# Altium PCB radioboard.PcbDoc (part 1 of 9) (continued)
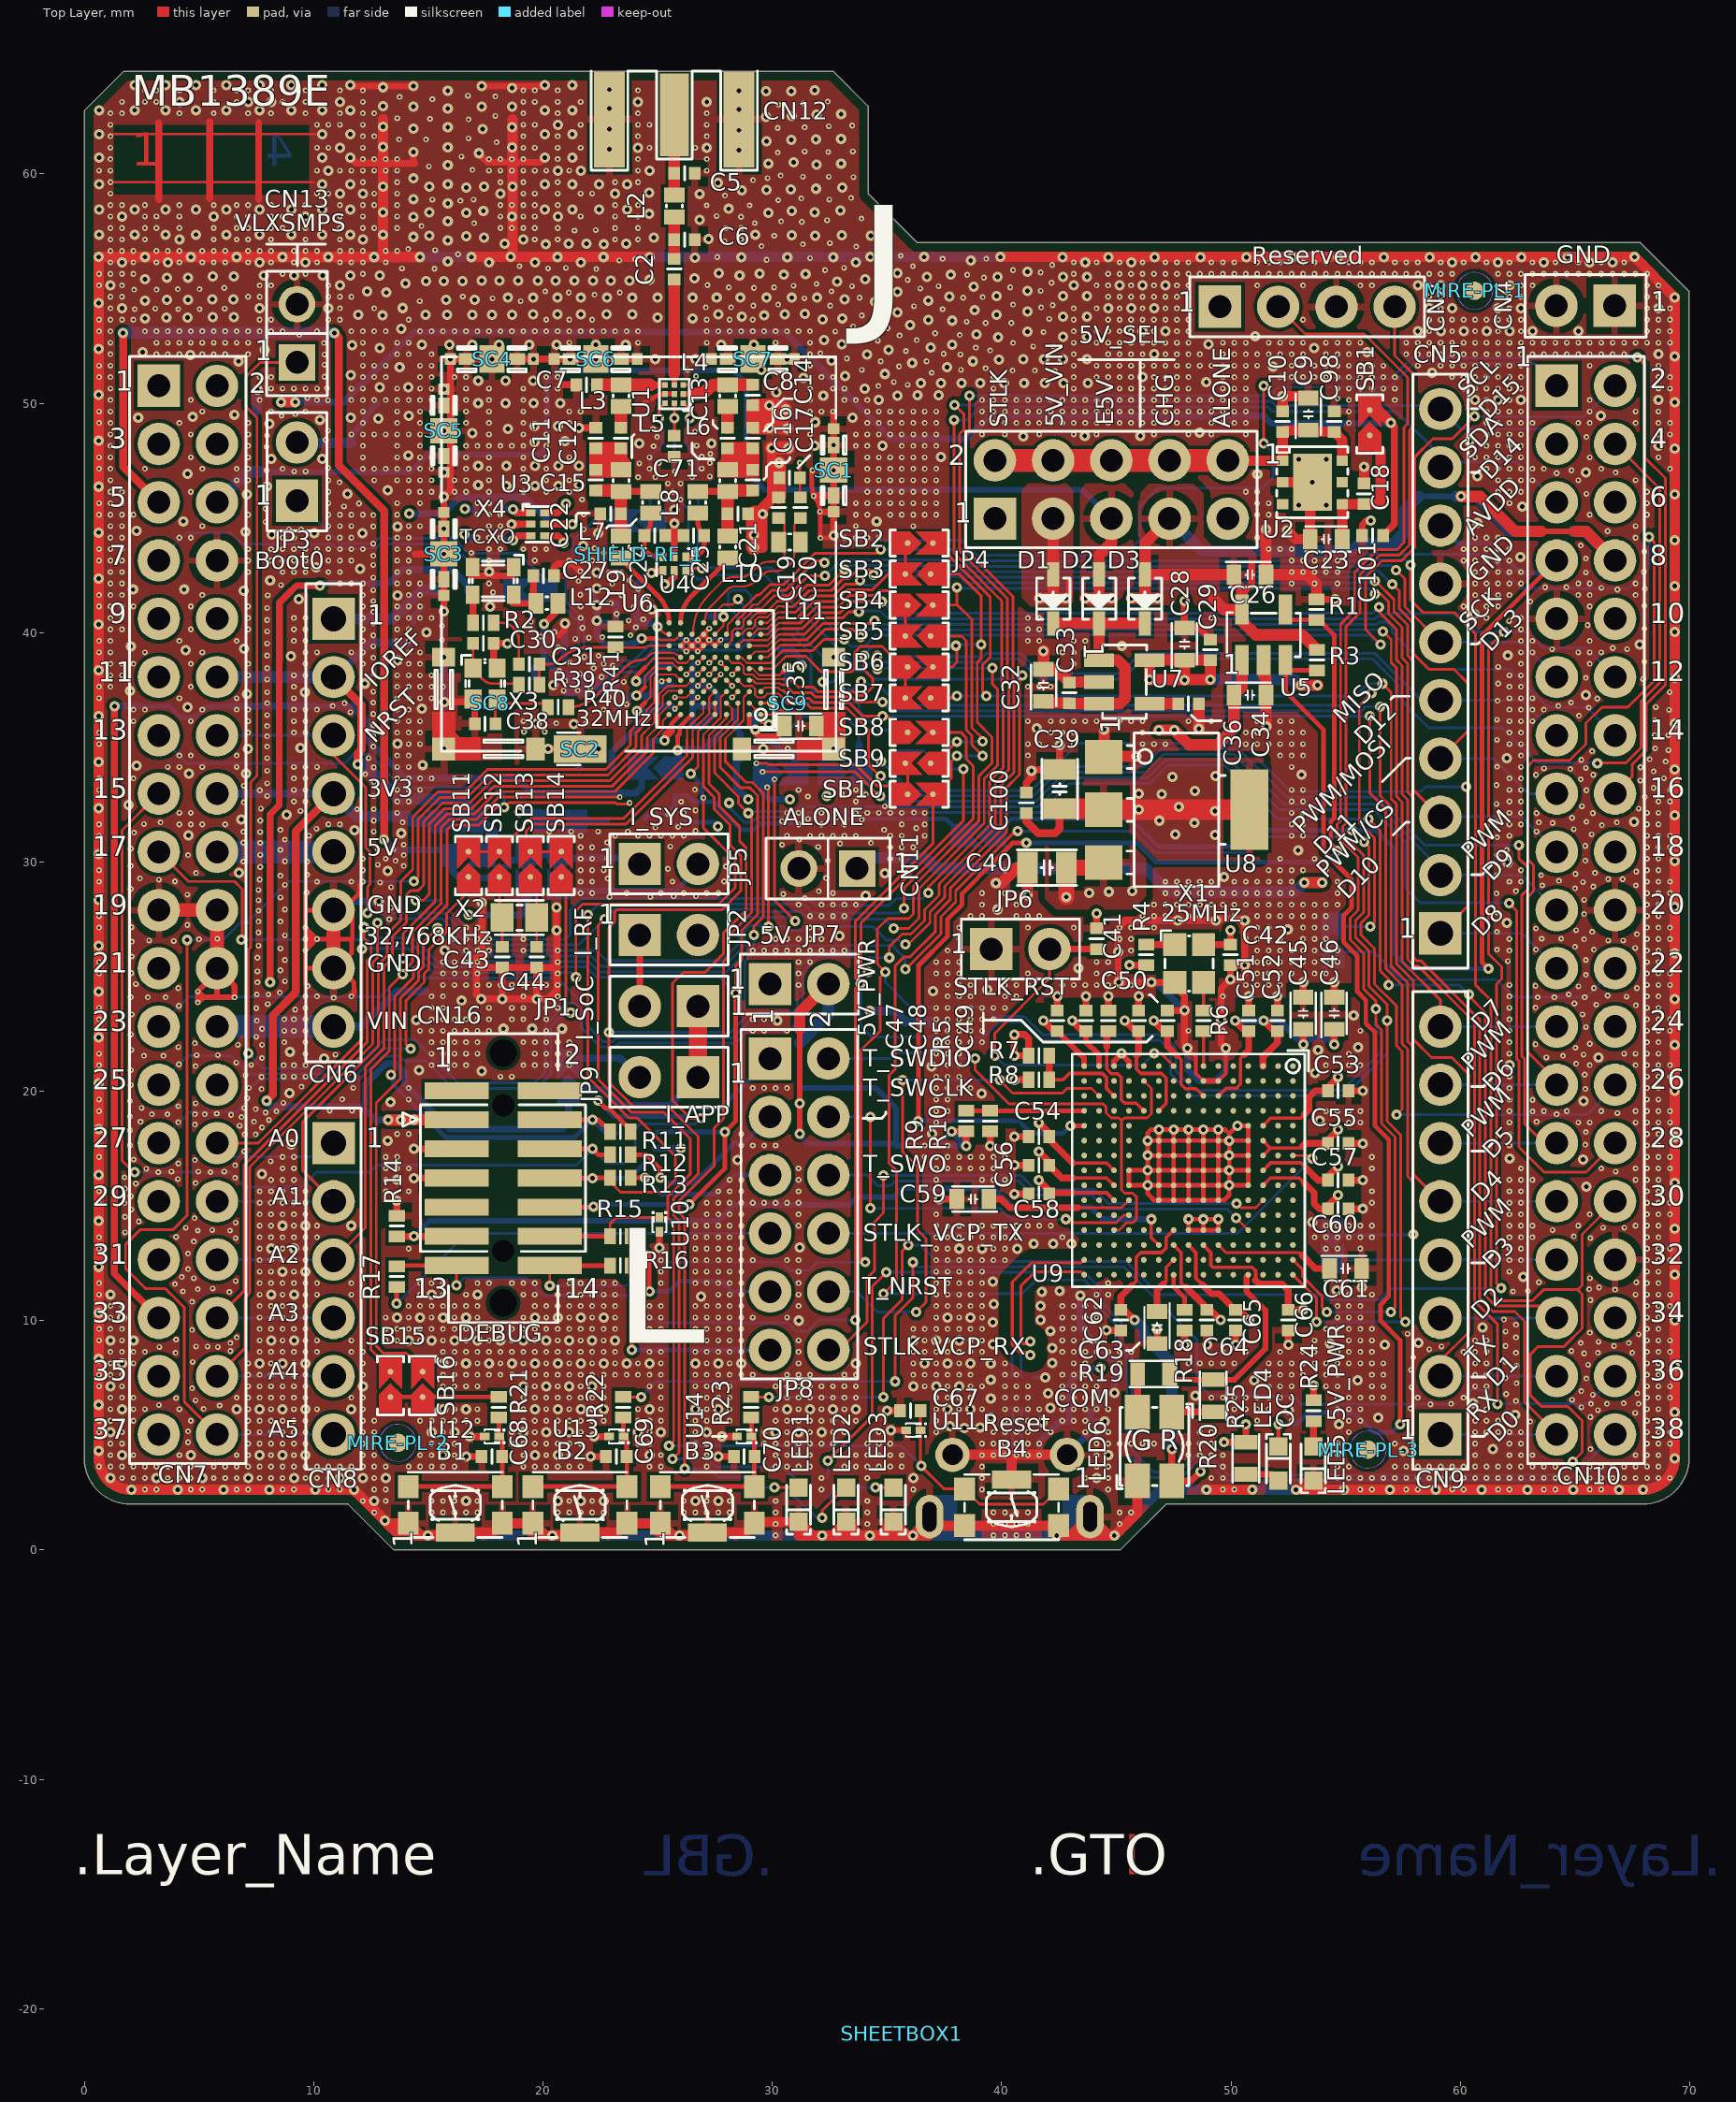
[diagram p0: Top Layer view]
## Components (designator, comment, footprint, x,y, rotation, side; value= is the part's Value field where it differs from the comment) (continued)
C64 "" C0402 48.95,10.025 r90 top value=100nF
C65 "" C0402 50.2,10.025 r90 top value=100nF
C66 "" C0402 52.5,10.025 r90 top value=100nF
C67 "" C0402 36.025,6.075 r0 top value=100nF
C68 "" C0402 17.775,4.075 r0 top value=100nF
C69 "" C0402 23.2,4.075 r0 top value=100nF
C70 "" C0402 28.775,4.075 r0 top value=100nF
C71 "" C0402 25.725,48.125 r90 top value=1nF
C72 "" C0402 27.225,47.675 r180 bottom value=1nF
C73 "" C0402 24.225,47.7 r0 bottom value=1nF
C74 "" C0402 23.65,41.3 r0 bottom value=47nF
C75 "" C0402 26.8,40.7 r0 bottom value=100nF
C76 "" C0402 23.65,40.4 r0 bottom value=68pF
C77 "" C0402 20.5,39.775 r0 bottom value=100nF
C78 "" C0402 23.125,39.5 r0 bottom value=33pF
C79 "" C0402 20.5,38.875 r180 bottom value=47pF
C80 "" C0402 26.075,38.6 r180 bottom value=33pF
C81 "" C0402 30.2,37.825 r0 bottom value=100nF
C82 "" C0402 26.075,37.7 r180 bottom value=33pF
C83 "" C0402 26.075,36.8 r180 bottom value=100nF
C84 "" C0402 26.075,35.9 r180 bottom value=100nF
C85 "" C0603#1 31.45,35.65 r180 bottom value=470nF
C86 "" C0402 28.15,35.575 r180 bottom value=100nF
C87 "" C0603#1 22.3,34.1 r0 bottom value=4.7uF
C88 "" C0603#1 25.75,32.2 r90 bottom value=4.7uF
C89 "" C0402 26.925,32.175 r90 bottom value=100nF
C90 "" C0402 43.4,5.6 r180 bottom value=100pF
C92 "Capacitor" C0402 23.65,42.15 r0 bottom value=1.2pF
C93 "Capacitor" C0402 22.725,36.6 r0 bottom value=3.3pF
C94 "Capacitor" C0402 12.375,46.55 r90 bottom value=1.2pF
C95 "Capacitor" C0402 13.225,49.975 r180 bottom value=1.2pF
C96 "Capacitor" C0402 14.35,39.975 r270 bottom value=1.2pF
C97 "Capacitor" C0402 19.65,37.575 r90 bottom value=1.2pF
C98 "Capacitor" C0402 54.5,49.2 r270 top value=1.2pF
C99 "Capacitor" C0402 15.325,24.35 r180 bottom value=1.2pF
C100 "Capacitor" C0402 41.075,32.575 r270 top value=1.2pF
C101 "Capacitor" C0402 56.175,44.225 r0 top value=1.2pF
CN1 "" CON_USBMICROB_MOLEX_105017-0001_H2P90 40.356,0 r180 bottom locked value=USB_uB_105017-0001
CN2 "" CON_SAMTEC_TSW-104-07-G-S 53.327,54.205 r0 top value="Header 4x1"
CN4 "" CON_SAMTEC_TSW-102-09-X-S 65.457,54.245 r180 top value="Header 2x1 16mm"
CN5 "" CON_SAMTEC_SSW-110-03-X-S 59.127,38.315 r90 top locked value="Socket 10x1"
CN6 "" CON_SAMTEC_SSW-108-03-X-S 10.867,31.711 r270 top locked value="Socket 8x1"
CN7 "" CON_SAMTEC_TSW-119-09-X-D 4.517,27.901 r270 top locked value="Header 19x2"
CN8 "" CON_SAMTEC_SSW-106-03-X-S 10.867,11.391 r270 top locked value="Socket 6x1"
CN9 "" CON_SAMTEC_SSW-108-03-X-S 59.127,13.931 r90 top locked value="Socket 8x1"
CN10 "" CON_SAMTEC_TSW-119-09-X-D 65.477,27.901 r270 top locked value="Header 19x2"
CN11 "" CON_988-JIUBABA_PHFS25-11-02-G0B115-T-1 32.43,29.715 r0 top locked value="header 2x1"
CN12 "" CON_SAMTEC_SMA-J-P-X-ST-EM1 25.725,64.475 r180 top value=SMA-J-P-H-ST-EM1
CN13 "" CON_988-JIUBABA_PHFS25-11-02-G0B115-T-1 9.275,53.045 r270 top value="header 2x1"
CN16 "" CON_STDC14_Receiver_MEDIUM_WITH_MIPI10_3D 18.264,16.218 r270 top value="MIPI10 on STDC14 footprint"
D1 "" DIO_SOD323 42.25,41.475 r270 top value=BAT60JFILM
D2 "" DIO_SOD323 44.25,41.475 r270 top value=BAT60JFILM
D3 "" DIO_SOD323 46.25,41.475 r270 top value=BAT60JFILM
JP1 "" CON_SAMTEC_TSW-102-07-G-S 25.489,23.713 r180 top value="Shunt Fitted"
JP2 "" CON_SAMTEC_TSW-102-07-G-S 25.489,26.812 r0 top value="Shunt Fitted"
JP3 "" CON_SAMTEC_TSW-102-07-G-S 9.275,47.02 r90 top value="Shunt Fitted"
JP4 "" CON_SAMTEC_TSW-105-07-X-D 44.782,46.236 r0 top locked value="Shunt Fitted 1-2"
JP5 "" CON_SAMTEC_TSW-102-07-G-S 25.489,29.913 r0 top value="Shunt Fitted"
JP6 "" CON_SAMTEC_TSW-102-07-G-S 40.82,26.2 r0 top value="Shunt not fitted"
JP7 "" CON_SAMTEC_TSW-102-07-G-S 31.175,24.675 r0 top value="Shunt Fitted"
JP8 "" CON_SAMTEC_TSW-106-07-X-D 31.175,15.075 r270 top value="Jumper_Header 6x2"
JP9 "" CON_SAMTEC_TSW-102-07-G-S 25.489,20.612 r180 top value="Shunt Fitted"
L2 "" IND_0402_MURATA_LQW15AN_H0P5 25.725,58.6 r270 top value=8.7nH
L3 "Inductor" IND_0402_MURATA_LQW15AN_H0P5 23.4,50.325 r90 top value=8.7nH
L4 "" IND_0402_MURATA_LQW15AN_H0P5 28.05,50.325 r90 top value=8.7nH
L5 "Inductor" IND_0402_MURATA_LQW15AN_H0P5 23.4,46.625 r90 top value=3.6nH
L6 "Inductor" IND_0402_MURATA_LQW15AN_H0P5 28.05,46.625 r90 top value=3nH
L7 "Inductor" IND_0402_MURATA_LQW15AN_H0P5 24.7,45.675 r90 top value=33nH
L8 "" IND_0402_MURATA_LQW15AN2N4C00X 26.75,45.675 r90 top value=47nH
L9 "" IND_0402_MURATA_LQW15AN_H0P5 23.4,43.725 r90 top value=3.6nH
L10 "" IND_0402_MURATA_LQW15AN_H0P5 28.05,43.725 r90 top value=3.3nH
L11 "Inductor" IND_0402_MURATA_LQW15AN_H0P5 30.75,43.95 r0 top value=11nH
L12 "" IND_0402_MURATA_BLM15H_H0P5 20.175,41.275 r0 top value=1400R@1GHz
L13 "" IND_TDK_MLZ2012M150W 33.775,36.05 r90 bottom value=15uH
L14 "" L0603 23.625,31.775 r0 bottom value=600R@100MHz
LED1 "" LED_0603_OSRAM_LB-Q39G-L2OO-35-1_BLUE_1A2K_H0P4 31.147,1.975 r270 top locked value=BLUE
LED2 "" LED_0603_OSRAM_LG-Q396-PS-35_GREEN_1A2K_H0P4 33.217,1.975 r270 top locked value=GREEN
LED3 "" LED_0603_VISHAY_VLMS1300-GS08_RED_1A2K_H0P8 35.277,1.975 r270 top locked value=RED
LED4 "" LED_0603_VISHAY_VLMS1300-GS08_RED_1A2K_H0P8 52.066,3.771 r90 top value=RED
LED5 "" LED_0603_OSRAM_LG-Q396-PS-35_GREEN_1A2K_H0P4 53.59,3.771 r270 top value=GREEN
LED6 "" LED_BI-GR_HSMF-A201-A00J1 46.667,4.515 r0 top value=LD_BICOLOR_CMS
MIRE-PL-1 "Comment" MIRE_PLACE_SMD_0P8MM 60.625,54.9 r0 top
MIRE-PL-2 "Comment" MIRE_PLACE_SMD_0P8MM 13.675,4.675 r0 top
MIRE-PL-3 "Comment" MIRE_PLACE_SMD_0P8MM 55.975,4.375 r0 top
MIRE-PL-4 "Comment" MIRE_PLACE_SMD_0P8MM 45.1,52.3 r180 bottom
MIRE-PL-5 "Comment" MIRE_PLACE_SMD_0P8MM 54.25,4.325 r180 bottom
MIRE-PL-6 "Comment" MIRE_PLACE_SMD_0P8MM 15.2,2.25 r180 bottom
R1 "" R0402 53.725,41 r270 top value=10K
R2 "Resistor" R0402 17.4,40.425 r0 top value=220R
R3 "" R0402 53.75,38.8 r90 top value=100K
R4 "" R0402 46.3,25.95 r90 top value=10K
R5 "" R0402 44.65,23.075 r270 top value=10K
R6 "" R0402 48.8,23.075 r270 top value=100R
R7 "" R0402 41.625,21.55 r0 top value=4K7
R8 "" R0402 41.625,20.5 r0 top value=4K7
R9 "" R0402 38.45,18.7 r90 top value=2K7
R10 "" R0402 39.5,18.7 r90 top value=4K7
R11 "" R0402 23.375,18.237 r0 top value=47R
R12 "" R0402 23.375,17.237 r0 top value=47R
R13 "" R0402 23.375,16.225 r0 top value=47R
R14 "" R0402 13.625,14.125 r270 top value=100R
R15 "" R0402 23.375,13.675 r0 top value=47R
R16 "" R0402 23.375,12.4 r0 top value=47R
R17 "" R0402 13.625,11.925 r90 top value=47R
R18 "" R0402 47.975,10.025 r90 top value=3K
R19 "" R0603 46.625,7.675 r0 top value=330R
R20 "" R0603 49.225,6.725 r90 top value=330R
R21 "" R0402 18.075,6.225 r90 top value=1K
R22 "" R0402 23.5,6.225 r90 top value=1K
R23 "" R0402 29.075,6.225 r90 top value=1K
R24 "" R0402 53.6,6.075 r270 top value=620R
R25 "" R0603 50.65,4 r90 top value=1K
R26 "" R0603 12.35,48.275 r180 bottom value=10K
R27 "" R0402 26.775,46.425 r90 bottom value=100R
R28 "" R0402 25.725,46.425 r90 bottom value=100R
R29 "" R0402 24.675,46.425 r270 bottom value=100R
R31 "" R0603 16,41.825 r0 bottom value=1K
R32 "" R0402 31.1,36.9 r0 bottom value=0R
R33 "" R0402 35.525,35.3 r90 bottom value=0R
R34 "" R0402 32.425,2.725 r270 bottom value=360R
R35 "" R0402 30.975,2.725 r270 bottom value=270R
R36 "" R0402 29.075,2.725 r270 bottom value=120R
R37 "" R0402 17.625,44.113 r180 bottom value=0R
R38 "" R0402 17.625,45.263 r180 bottom value=0R
R39 "" R0402 19.4,37.725 r180 top value=0R
R40 "" R0402 20.663,36.75 r180 top value=0R
R41 "" R0402 23.162,39.813 r270 top value=10K
SB1 "" SOLDER-BRIDGE_R0603-0R 56.05,49.1 r90 top
SB2 "" SOLDER-BRIDGE_R0603-0R 36.4,43.9 r0 top
SB3 "" SOLDER-BRIDGE_R0603-0R 36.4,42.55 r180 top
SB4 "" SOLDER-BRIDGE_R0603-0R 36.4,41.2 r0 top
SB5 "" SOLDER-BRIDGE_R0603-0R 36.4,39.85 r180 top
SB6 "" SOLDER-BRIDGE_R0603-0R 36.4,38.5 r0 top
SB7 "" SOLDER-BRIDGE_R0603-0R 36.4,37.15 r180 top
SB8 "" SOLDER-BRIDGE_R0603-0R 36.4,35.65 r0 top
SB9 "" SOLDER-BRIDGE_R0603-0R 36.4,34.3 r180 top
SB10 "" SOLDER-BRIDGE_R0603-0R 36.4,32.95 r0 top
SB11 "" SOLDER-BRIDGE_R0603-0R 16.75,29.85 r90 top
SB12 "" SOLDER-BRIDGE_R0603-0R 18.1,29.85 r90 top
SB13 "" SOLDER-BRIDGE_R0603-0R 19.45,29.85 r90 top
SB14 "" SOLDER-BRIDGE_R0603-0R 20.8,29.85 r90 top
SB15 "" SOLDER-BRIDGE_R0603-0R 13.35,7.175 r90 top
SB16 "" SOLDER-BRIDGE_R0603-0R 14.75,7.175 r90 top
SB18 "" SOLDER-BRIDGE_R0603-0R 24.175,44.875 r180 bottom
SB19 "" SOLDER-BRIDGE_R0603-0R 19.45,41.85 r180 bottom
SB20 "" SOLDER-BRIDGE_R0603-0R 22.125,37.725 r180 bottom
SB21 "" SOLDER-BRIDGE_R0603-0R 24.9,34.1 r180 bottom
SB22 "" SOLDER-BRIDGE_R0603-0R 33.175,33.85 r0 bottom
SB23 "" SOLDER-BRIDGE_R0603-0R 30.375,33.85 r0 bottom
SB24 "" SOLDER-BRIDGE_R0603-0R 20.725,31.775 r0 bottom
SB25 "" SOLDER-BRIDGE_R0603-0R 16.175,31.775 r0 bottom
SB26 "" SOLDER-BRIDGE_R0603-0R 39,31.15 r180 bottom
SB27 "" SOLDER-BRIDGE_R0603-0R 20.7,29.575 r270 bottom
SB28 "" SOLDER-BRIDGE_R0603-0R 19.3,29.575 r270 bottom
SB29 "" SOLDER-BRIDGE_R0603-0R 16.725,30.275 r0 bottom
SB30 "" SOLDER-BRIDGE_R0603-0R 54.45,26.575 r90 bottom
SB31 "" SOLDER-BRIDGE_R0603-0R 54.425,13.25 r270 bottom
SB32 "" SOLDER-BRIDGE_R0603-0R 21.113,20.663 r90 bottom
SC1 "" CLIP_HARWIN_S0951-46R 32.675,47.075 r90 top locked value=S0951-46R
SC2 "Shield-clip_S0951-46R" CLIP_HARWIN_S0911-46R 21.625,34.925 r0 top locked value=S0911-46R
SC3 "" CLIP_HARWIN_S0951-46R 15.675,43.425 r90 top locked value=S0951-46R
SC4 "" CLIP_HARWIN_S0951-46R 17.775,51.925 r0 top locked value=S0951-46R
SC5 "" CLIP_HARWIN_S0951-46R 15.675,48.8 r90 top locked value=S0951-46R
SC6 "" CLIP_HARWIN_S0951-46R 22.3,51.925 r180 top locked value=S0951-46R
SC7 "" CLIP_HARWIN_S0951-46R 29.15,51.925 r180 top locked value=S0951-46R
SC8 "Shield-clip_S0981-46R" CLIP_HARWIN_S0981-46R#1 15.675,34.925 r270 top locked value=S0981-46R
SC9 "Shield-clip_S0981-46R" CLIP_HARWIN_S0981-46R#2 32.675,34.925 r0 top locked value=S0981-46R
SHEETBOX1 "Comment" Sheetbox_4L2S -9.45,-26.425 r0 top
SHIELD-RF_1 "Comment" SHIELD_17P2x17P2X3__3D-ONLY 24.175,43.425 r0 top locked
STICKER-1 "Comment" STICKER_BOARD-CPN_13X3 46,16.775 r90 bottom
STICKER-2 "Comment" STICKER_BOARD-CPN_25X5 50.825,22.725 r90 bottom
STICKER-3 "Comment" STICKER_BOARD-QR-CODE_9X9 39.1,14.75 r180 bottom
U1 "" ICC_TSNP-9-3_1P1X1P1_P040 25.725,50.4 r180 top value=BGS13S4N9
U2 "" ICC_DFN6-EPAD_3X3_P095 53.55,46.55 r270 top value=LD39050PU33R
U3 "" ICC_SOT886_XSON6 19.775,44.725 r270 top value=NX3L1T3157GM
U4 "" ICC_SOT886_XSON6 25.725,43 r180 top value=NX3L1T3157GM
U5 "" MOS_SOT23-5L 51.425,39.9 r0 top value=STMPS2151STR
U6 "" ICC_UFBGA73_5X5_P050 27.5,38.425 r180 top value=STM32WL55JCI7
U7 "" REG_SOT23-5L 45.35,37.85 r270 top value=LD3985M33R
U8 "" REG_SOT223-TAB 47.625,32.275 r270 top value=LD1117S50TR
U9 "" ICC_UFBGA201_176+25_10X10_P065 48.15,16.55 r270 top value=ST-LINKV3E_SWD
U10 "" ESD_ST0201 25.075,14.188 r270 top value=ESDALC6V1-1U2
U11 "" ESD_ST0201 36.15,5.225 r180 top value=ESDALC6V1-1U2
U12 "" ESD_ST0201 17.775,4.95 r180 top value=ESDALC6V1-1U2
U13 "" ESD_ST0201 23.2,4.95 r180 top value=ESDALC6V1-1U2
U14 "" ESD_ST0201 28.775,4.95 r180 top value=ESDALC6V1-1U2
U15 "" ESD_SOT323-5L 38.025,23.025 r90 bottom value=ESDALC6V1W5
U16 "" ESD_SOT323-5L 24.038,17.512 r270 bottom value=ESDALC6V1W5
U17 "" ESD_QFN-6L_1P7X1P5_P050 40.9,6.875 r0 bottom value=ECMF02-2AMX6
U18 "" ESD_QFN2_1P6X1_P125 43.6,6.85 r0 bottom value=ESDA7P60-1U1M
X1 "" OSC_NDK_NZ2520SB_4P 48.175,25.575 r270 top value="NZ2520SH 25MHz"
X2 "" CRY_NX2012SA_2P 18.975,27.575 r180 top value="NX2012SA 32.768KHz"
X3 "" CRY_NX2016SA_4P 17.475,37.775 r270 top value="NX2016SA 32MHz"
X4 "NT2016SF" CRY_NDK_NT2016SB_4P 17.825,42.25 r180 top value=32MHz

## Footprints (in the part's own frame and the unit in brackets; to place one, negate y for a bottom-side part, rotate by r counter-clockwise, add the part's x,y. Pads: shape width x height; smd on the part's side, far side on the other; paste and mask are expansions set on the pad)
C0402 [mm]
  rect 0.51x0.56 smd mask+0.05: 1(-0.45,0) 2(0.45,0)
  silkscreen extent 0,-0.3 0,0.3, body extent -0.5,-0.3 0.5,0.3, height 0.4
C0603#1 [mm]
  rect 0.64x0.89 smd mask+0.05: 1(-0.7,0) 2(0.7,0)
  silkscreen extent -0.9,-0.55 1.05,0.55, body extent -0.9,-0.5 0.9,0.5, height 1.4
C0603#2 [mm]
  rect 0.64x0.89 smd paste-0.15 mask-0.15: 1(-0.7,0)
  rect 0.64x0.89 smd mask+0.05: 2(0.7,0)
  silkscreen extent -0.9,-0.55 1.05,0.55, body extent -0.9,-0.5 0.9,0.5, height 1.4
C0805 [mm]
  rect 0.9x1.4 smd mask+0.05: 1(-0.85,0) 2(0.85,0)
  silkscreen extent -1.3,-0.77 1.3,0.77, body extent -1.1,-0.7 1.1,0.7, height 1.35
CLIP_HARWIN_S0911-46R [mm] "MCD-XXXXX"
  rect 2.3x1.2 smd mask+0.05: 1(0,0)
  silkscreen extent -1,-0.7 0,0.7, body extent -1.15,-0.6 1.15,0.6, height 2
CLIP_HARWIN_S0951-46R [mm] "MCD-01587_CLIP-X1"
  rect 0.48x0.5 smd mask+0.1: 1(-1.81,0) 1(1.81,0)
  rect 0.7x0.5 smd mask+0.1: 1(-1.1,0) 1(1.1,0)
  rect 1.1x1.2 smd mask+0.1: 1(0,0)
  silkscreen extent -1.5,-0.55 1.5,0.55, body extent -2.05,-0.65 2.05,0.65, height 1.28
CLIP_HARWIN_S0981-46R#1 [mm] "MCD-XXXXX"
  rect 0.8x1 smd mask+0.05: 1(-4,0)
  rect 1x0.8 smd mask+0.05: 1(0,4)
  rect 1x1 smd mask+0.05: 1(0,0)
  Top Layer region: -1.6,-0.5 0.5,-0.5 0.5,1.6 -0.5,1.6 -0.5,0.7 -0.7,0.5 -1.6,0.5
  silkscreen extent -3.45,-0.4 0.4,3.45, body extent -4.3,-0.46 0.46,4.3, height 1.4
CLIP_HARWIN_S0981-46R#2 [mm] "MCD-XXXXX"
  rect 0.8x1 smd mask+0.05: 1(-4,0)
  rect 1x1 smd paste-0.15 mask-0.15: 1(0,0)
  rect 1x0.8 smd mask+0.05: 1(0,4)
  Top Layer region: -1.6,-0.5 0.5,-0.5 0.5,1.6 -0.5,1.6 -0.5,0.7 -0.7,0.5 -1.6,0.5
  silkscreen extent -3.45,-0.4 0.4,3.45, body extent -4.3,-0.46 0.46,4.3, height 1.4
CON_988-JIUBABA_PHFS25-11-02-G0B115-T-1 [mm]
  rect 1.6x1.6 hole 1 mask+0.05: 1(1.27,0)
  round 1.6 hole 1 mask+0.05: 2(-1.27,0)
  silkscreen extent -2.71,-1.33 2.71,1.33, body extent -2.71,-1.33 2.71,1.33, height 8.85
CON_SAMTEC_SMA-J-P-X-ST-EM1 [mm]
  rect 1.27x3.6 smd mask+0.05: 1(0,1.9)
  rect 1.35x4.2 smd mask+0.05: 2(-2.825,2.1) 3(2.825,2.1)
  rect 1.35x4.2 smd far side mask+0.05: 4(2.825,2.1) 5(-2.825,2.1)
  silkscreen extent -3.62,0 3.62,4.33, body extent -3.17,-9.53 3.18,3.8, height 3.55
CON_SAMTEC_SSW-106-03-X-S [mm]
  rect 1.85x1.85 / inner round 1.85 / far side rect 1.85x1.85 hole 1.1 mask+0.05: 1(-6.35,0)
  round 1.85 hole 1.1 mask+0.05: 2(-3.81,0) 3(-1.27,0) 4(1.27,0) 5(3.81,0) 6(6.35,0)
  silkscreen extent -7.88,-1.2 7.88,1.2, body extent -7.88,-1.21 7.88,1.21, height 8.51
CON_SAMTEC_SSW-108-03-X-S [mm]
  rect 1.85x1.85 / inner round 1.85 / far side rect 1.85x1.85 hole 1.1 mask+0.05: 1(-8.89,0)
  round 1.85 hole 1.1 mask+0.05: 2(-6.35,0) 3(-3.81,0) 4(-1.27,0) 5(1.27,0) 6(3.81,0) 7(6.35,0) 8(8.89,0)
  silkscreen extent -10.42,-1.2 10.42,1.2, body extent -10.42,-1.21 10.42,1.21, height 8.51
CON_SAMTEC_SSW-110-03-X-S [mm]
  rect 1.85x1.85 / inner round 1.85 / far side rect 1.85x1.85 hole 1.1 mask+0.05: 1(-11.43,0)
  round 1.85 hole 1.1 mask+0.05: 2(-8.89,0) 3(-6.35,0) 4(-3.81,0) 5(-1.27,0) 6(1.27,0) 7(3.81,0) 8(6.35,0) 9(8.89,0) 10(11.43,0)
  silkscreen extent -12.96,-1.2 12.96,1.2, body extent -12.96,-1.21 12.96,1.21, height 8.51
CON_SAMTEC_TSW-102-07-G-S [mm]
  rect 1.85x1.85 / inner round 1.85 / far side rect 1.85x1.85 hole 1 mask+0.05: 1(-1.27,0)
  round 1.85 hole 1 mask+0.05: 2(1.27,0)
  silkscreen extent -2.58,-1.3 2.58,1.3, body extent -2.67,-1.3 2.58,1.3, height 8.38
CON_SAMTEC_TSW-102-09-X-S [mm]
  rect 1.85x1.85 / inner round 1.85 / far side rect 1.85x1.85 hole 1 mask+0.05: 1(-1.27,0)
  round 1.85 hole 1 mask+0.05: 2(1.27,0)
  silkscreen extent -2.64,-1.37 2.64,1.37, body extent -2.67,-1.3 2.58,1.3, height 8.38
CON_SAMTEC_TSW-104-07-G-S [mm]
  rect 1.85x1.85 / inner round 1.85 / far side rect 1.85x1.85 hole 1 mask+0.05: 1(-3.81,0)
  round 1.85 hole 1 mask+0.05: 2(-1.27,0) 3(1.27,0) 4(3.81,0)
  silkscreen extent -5.12,-1.3 5.12,1.3, body extent -5.21,-1.37 5.18,1.37, height 8.38
CON_SAMTEC_TSW-105-07-X-D [mm]
  rect 1.85x1.85 / inner round 1.85 / far side rect 1.85x1.85 hole 1 mask+0.05: 1(-5.08,-1.27)
  round 1.85 hole 1 mask+0.05: 2(-5.08,1.27) 3(-2.54,-1.27) 4(-2.54,1.27) 5(0,-1.27) 6(0,1.27) 7(2.54,-1.27) 8(2.54,1.27) 9(5.08,-1.27) 10(5.08,1.27)
  silkscreen extent -6.35,-2.54 6.35,2.54, body extent -6.35,-2.54 6.35,2.55, height 8.38
CON_SAMTEC_TSW-106-07-X-D [mm]
  rect 1.85x1.85 / inner round 1.85 / far side rect 1.85x1.85 hole 1 mask+0.05: 1(-6.35,-1.27)
  round 1.85 hole 1 mask+0.05: 2(-6.35,1.27) 3(-3.81,-1.27) 4(-3.81,1.27) 5(-1.27,-1.27) 6(-1.27,1.27) 7(1.27,-1.27) 8(1.27,1.27) 9(3.81,-1.27) 10(3.81,1.27) 11(6.35,-1.27) 12(6.35,1.27)
  silkscreen extent -7.62,-2.54 7.62,2.54, body extent -7.62,-2.55 7.62,2.54, height 8.38
CON_SAMTEC_TSW-119-09-X-D [mm]
  rect 1.85x1.85 / inner round 1.85 / far side rect 1.85x1.85 hole 1 mask+0.05: 1(-22.86,-1.27)
  round 1.85 hole 1 mask+0.05: 2(-22.86,1.27) 3(-20.32,-1.27) 4(-20.32,1.27) 5(-17.78,-1.27) 6(-17.78,1.27) 7(-15.24,-1.27) 8(-15.24,1.27) 9(-12.7,-1.27) 10(-12.7,1.27) 11(-10.16,-1.27) 12(-10.16,1.27) 13(-7.62,-1.27) 14(-7.62,1.27) 15(-5.08,-1.27) 16(-5.08,1.27) 17(-2.54,-1.27) 18(-2.54,1.27) 19(0,-1.27) 20(0,1.27) 21(2.54,-1.27) 22(2.54,1.27) 23(5.08,-1.27) 24(5.08,1.27) 25(7.62,-1.27) 26(7.62,1.27) 27(10.16,-1.27) 28(10.16,1.27) 29(12.7,-1.27) 30(12.7,1.27) 31(15.24,-1.27) 32(15.24,1.27) 33(17.78,-1.27) 34(17.78,1.27) 35(20.32,-1.27) 36(20.32,1.27) 37(22.86,-1.27) 38(22.86,1.27)
  silkscreen extent -24.13,-2.54 24.13,2.54, body extent -24.13,-2.55 24.13,2.54, height 8.38
CON_STDC14_Receiver_MEDIUM_WITH_MIPI10_3D [mm] "compatible with FTSH-105-01-L-DV,-K and FTSH-107-01-L-DV,-K,-A,-P,-ES"
  round 0 hole 1.19 unplated mask+0.05: 0(-5.445,0) 0(5.445,0)
  round 0 hole 0.97 unplated mask+0.05: 0(-3.175,0) 0(3.175,0)
  rect 0.74x2.79 smd mask+0.05: 1(-3.81,-2.032) 2(-3.81,2.032) 3(-2.54,-2.032) 4(-2.54,2.032) 5(-1.27,-2.032) 6(-1.27,2.032) 7(0,-2.032) 8(0,2.032) 9(1.27,-2.032) 10(1.27,2.032) 11(2.54,-2.032) 12(2.54,2.032) 13(3.81,-2.032) 14(3.81,2.032)
  silkscreen extent -6.3,-4.38 6.3,3.6, body extent -6.3,-2.92 6.3,2.92, height 6.6
CON_USBMICROB_MOLEX_105017-0001_H2P90 [mm]
  rect 0.4x1.35 smd mask+0.05: 1(-1.3,4.15) 2(-0.65,4.15) 3(0,4.15) 4(0.65,4.15) 5(1.3,4.15)
  round 1.5 hole 0.9 mask+0.05: 6(-2.5,4.15) 7(2.5,4.15)
  oval 1.2x1.9 hole 0.6 slot 1.3 at 90 deg mask+0.05: 8(3.5,1.45) 9(-3.5,1.45)
  rect 1.5x1.9 smd mask+0.05: 10(-1,1.45) 11(1,1.45)
  Top Layer region: -3.5,2.4 -2.3,2.4 -2.3,0.5 -3.5,0.5 -3.5,2.4
  Top Layer region: 2.3,2.4 3.5,2.4 3.5,0.5 2.3,0.5 2.3,2.4
  silkscreen extent -4,-0.7 4,4.6, body extent -4.1,-1.15 4.1,4.66, height 2.9
CRY_NDK_NT2016SB_4P [mm] "MCD-01492"
  rect 0.6x0.8 smd mask+0.05: 1(-0.9,-0.6) 2(0.9,-0.6) 3(0.9,0.6) 4(-0.9,0.6)
  silkscreen extent -1.32,-1.12 1.05,0.85, body extent -1.05,-0.85 1.05,0.85, height 0.81
CRY_NX2012SA_2P [mm]
  rect 1x1.25 smd mask+0.05: 1(-0.75,0) 2(0.75,0)
  silkscreen extent -1.05,-0.75 1.05,0.75, body extent -1.05,-0.63 1.05,0.63, height 0.6
CRY_NX2016SA_4P [mm]
  rect 0.85x0.75 smd mask+0.05: 1(-0.675,-0.525) 2(0.675,-0.525) 3(0.675,0.525) 4(-0.675,0.525)
  silkscreen extent -1.22,-1.02 1.05,0.85, body extent -1.05,-0.85 1.05,0.85, height 0.7
DIO_SOD323 [mm]
  rect 1.06x0.54 smd mask+0.05: 1(-1.07,0) 2(1.07,0)
  silkscreen extent -0.9,-0.72 0.9,0.72, body extent -1.3,-0.78 1.3,0.78, height 1.17
ESD_QFN2_1P6X1_P125 [mm]
  rect 0.55x0.8 smd mask+0.05: 1(-0.625,0) 2(0.625,0)
  silkscreen extent -1,-0.55 0.85,0.55, body extent -0.85,-0.55 0.85,0.55, height 0.61
ESD_QFN-6L_1P7X1P5_P050 [mm]
  rect 0.25x0.6 smd mask+0.05: 1(-0.5,-0.65) 2(0,-0.65) 3(0.5,-0.65) 4(0.5,0.65) 5(0,0.65) 6(-0.5,0.65)
  silkscreen extent -0.9,-0.8 0.9,0.8, body extent -0.9,-0.8 0.9,0.8, height 0.56
ESD_SOT323-5L [mm]
  rect 0.4x1.2 smd mask+0.05: 1(-0.65,-0.85) 2(0,-0.85) 3(0.65,-0.85) 4(0.65,0.85) 5(-0.65,0.85)
  silkscreen extent -1.22,-1.21 1.22,0.77, body extent -1.15,-1.05 1.15,1.05, height 1.1
ESD_ST0201 [mm]
  rect 0.425x0.33 smd mask+0.05: 1(-0.312,0) 2(0.312,0)
  silkscreen extent -0.55,-0.3 0.33,0.3, body extent -0.34,-0.18 0.34,0.18, height 0.34
ICC_DFN6-EPAD_3X3_P095 [mm]
  rect 0.45x0.5 smd mask+0.05: 1(-0.95,-1.3) 2(0,-1.3) 3(0.95,-1.3) 4(0.95,1.3) 5(0,1.3) 6(-0.95,1.3)
  rect 2.5x1.7 smd mask+0.05: EP(0,0)
  silkscreen extent -1.55,-1.55 1.55,1.55, body extent -1.55,-1.55 1.55,1.55, height 1
ICC_SOT886_XSON6 [mm] "MCD-01514"
  rect 0.3x0.4 smd mask+0.05: 1(-0.5,-0.3) 2(0,-0.3) 3(0.5,-0.3) 4(0.5,0.3) 5(0,0.3) 6(-0.5,0.3)
  silkscreen extent -0.87,-0.65 0.77,0.53, body extent -0.75,-0.53 0.75,0.53, height 0.51
ICC_TSNP-9-3_1P1X1P1_P040 [mm] "MCD-02018"
  rect 0.25x0.25 smd mask+0.038: 1(-0.4,0.4) 2(-0.4,0) 3(-0.4,-0.4) 4(0,-0.4) 5(0.4,-0.4) 6(0.4,0) 7(0.4,0.4) 8(0,0.4) 9(0,0)
  silkscreen extent -0.72,-0.65 0.65,0.72, body extent -0.6,-0.6 0.6,0.6, height 0.41
ICC_UFBGA73_5X5_P050 [mm] "MCD-01435"
  round 0.23 smd mask+0.05: A1(-2,2) A2(-1.5,2) A4(-0.5,2) A5(0,2) A7(1,2) A8(1.5,2) A9(2,2) B1(-2,1.5) B2(-1.5,1.5) B3(-1,1.5) B4(-0.5,1.5) B5(0,1.5) B6(0.5,1.5) B7(1,1.5) B8(1.5,1.5) B9(2,1.5) C1(-2,1) C2(-1.5,1) C3(-1,1) C4(-0.5,1) C5(0,1) C6(0.5,1) C7(1,1) C8(1.5,1) D2(-1.5,0.5) D3(-1,0.5) D4(-0.5,0.5) D5(0,0.5) D6(0.5,0.5) D7(1,0.5) D8(1.5,0.5) D9(2,0.5) E1(-2,0) E2(-1.5,0) E3(-1,0) E4(-0.5,0) E5(0,0) E6(0.5,0) E7(1,0) E8(1.5,0) E9(2,0) F1(-2,-0.5) F2(-1.5,-0.5) F3(-1,-0.5) F4(-0.5,-0.5) F5(0,-0.5) F6(0.5,-0.5) F7(1,-0.5) F8(1.5,-0.5) G2(-1.5,-1) G3(-1,-1) G4(-0.5,-1) G5(0,-1) G6(0.5,-1) G7(1,-1) G8(1.5,-1) G9(2,-1) H1(-2,-1.5) H2(-1.5,-1.5) H3(-1,-1.5) H4(-0.5,-1.5) H5(0,-1.5) H6(0.5,-1.5) H7(1,-1.5) H8(1.5,-1.5) H9(2,-1.5) J1(-2,-2) J2(-1.5,-2) J3(-1,-2) J5(0,-2) J6(0.5,-2) J8(1.5,-2) J9(2,-2)
  silkscreen extent -2.68,-2.55 2.55,2.68, body extent -2.55,-2.53 2.55,2.55, height 0.61
ICC_UFBGA201_176+25_10X10_P065 [mm] "IPC"
  round 0.25 smd mask+0.05: A1(-4.55,4.55) A2(-3.9,4.55) A3(-3.25,4.55) A4(-2.6,4.55) A5(-1.95,4.55) A6(-1.3,4.55) A7(-0.65,4.55) A8(0,4.55) A9(0.65,4.55) A10(1.3,4.55) A11(1.95,4.55) A12(2.6,4.55) A13(3.25,4.55) A14(3.9,4.55) A15(4.55,4.55) B1(-4.55,3.9) B2(-3.9,3.9) B3(-3.25,3.9) B4(-2.6,3.9) B5(-1.95,3.9) B6(-1.3,3.9) B7(-0.65,3.9) B8(0,3.9) B9(0.65,3.9) B10(1.3,3.9) B11(1.95,3.9) B12(2.6,3.9) B13(3.25,3.9) B14(3.9,3.9) B15(4.55,3.9) C1(-4.55,3.25) C2(-3.9,3.25) C3(-3.25,3.25) C4(-2.6,3.25) C5(-1.95,3.25) C6(-1.3,3.25) C7(-0.65,3.25) C8(0,3.25) C9(0.65,3.25) C10(1.3,3.25) C11(1.95,3.25) C12(2.6,3.25) C13(3.25,3.25) C14(3.9,3.25) C15(4.55,3.25) D1(-4.55,2.6) D2(-3.9,2.6) D3(-3.25,2.6) D4(-2.6,2.6) D5(-1.95,2.6) D6(-1.3,2.6) D7(-0.65,2.6) D8(0,2.6) D9(0.65,2.6) D10(1.3,2.6) D11(1.95,2.6) D12(2.6,2.6) D13(3.25,2.6) D14(3.9,2.6) D15(4.55,2.6) E1(-4.55,1.95) E2(-3.9,1.95) E3(-3.25,1.95) E4(-2.6,1.95) E12(2.6,1.95) E13(3.25,1.95) E14(3.9,1.95) E15(4.55,1.95) F1(-4.55,1.3) F2(-3.9,1.3) F3(-3.25,1.3) F4(-2.6,1.3) F6(-1.3,1.3) F7(-0.65,1.3) F8(0,1.3) F9(0.65,1.3) F10(1.3,1.3) F12(2.6,1.3) F13(3.25,1.3) F14(3.9,1.3) F15(4.55,1.3) G1(-4.55,0.65) G2(-3.9,0.65) G3(-3.25,0.65) G4(-2.6,0.65) G6(-1.3,0.65) G7(-0.65,0.65) G8(0,0.65) G9(0.65,0.65) G10(1.3,0.65) G12(2.6,0.65) G13(3.25,0.65) G14(3.9,0.65) G15(4.55,0.65) H1(-4.55,0) H2(-3.9,0) H3(-3.25,0) H4(-2.6,0) H6(-1.3,0) H7(-0.65,0) H8(0,0) H9(0.65,0) H10(1.3,0) H12(2.6,0) H13(3.25,0) H14(3.9,0) H15(4.55,0) J1(-4.55,-0.65) J2(-3.9,-0.65) J3(-3.25,-0.65) J4(-2.6,-0.65) J6(-1.3,-0.65) J7(-0.65,-0.65) J8(0,-0.65) J9(0.65,-0.65) J10(1.3,-0.65) J12(2.6,-0.65) J13(3.25,-0.65) J14(3.9,-0.65) J15(4.55,-0.65) K1(-4.55,-1.3) K2(-3.9,-1.3) K3(-3.25,-1.3) K4(-2.6,-1.3) K6(-1.3,-1.3) K7(-0.65,-1.3) K8(0,-1.3) K9(0.65,-1.3) K10(1.3,-1.3) K12(2.6,-1.3) K13(3.25,-1.3) K14(3.9,-1.3) K15(4.55,-1.3) L1(-4.55,-1.95) L2(-3.9,-1.95) L3(-3.25,-1.95) L4(-2.6,-1.95) L12(2.6,-1.95) L13(3.25,-1.95) L14(3.9,-1.95) L15(4.55,-1.95) M1(-4.55,-2.6) M2(-3.9,-2.6) M3(-3.25,-2.6) M4(-2.6,-2.6) M5(-1.95,-2.6) M6(-1.3,-2.6) M7(-0.65,-2.6) M8(0,-2.6) M9(0.65,-2.6) M10(1.3,-2.6) M11(1.95,-2.6) M12(2.6,-2.6) M13(3.25,-2.6) M14(3.9,-2.6) M15(4.55,-2.6) N1(-4.55,-3.25) N2(-3.9,-3.25) N3(-3.25,-3.25) N4(-2.6,-3.25) N5(-1.95,-3.25) N6(-1.3,-3.25) N7(-0.65,-3.25) N8(0,-3.25) N9(0.65,-3.25) N10(1.3,-3.25) N11(1.95,-3.25) N12(2.6,-3.25) N13(3.25,-3.25) N14(3.9,-3.25) N15(4.55,-3.25) P1(-4.55,-3.9) P2(-3.9,-3.9) P3(-3.25,-3.9) P4(-2.6,-3.9) P5(-1.95,-3.9) P6(-1.3,-3.9) P7(-0.65,-3.9) P8(0,-3.9) P9(0.65,-3.9) P10(1.3,-3.9) P11(1.95,-3.9) P12(2.6,-3.9) P13(3.25,-3.9) P14(3.9,-3.9) P15(4.55,-3.9) R1(-4.55,-4.55) R2(-3.9,-4.55) R3(-3.25,-4.55) R4(-2.6,-4.55) R5(-1.95,-4.55) R6(-1.3,-4.55) R7(-0.65,-4.55) R8(0,-4.55) R9(0.65,-4.55) R10(1.3,-4.55) R11(1.95,-4.55) R12(2.6,-4.55) R13(3.25,-4.55) R14(3.9,-4.55) R15(4.55,-4.55)
  silkscreen extent -5.22,-5.07 5.07,5.23, body extent -5.07,-5.07 5.07,5.07, height 0.61
IND_0402_MURATA_BLM15H_H0P5 [mm] "MCD-01610"
  rect 0.65x0.9 smd mask+0.05: 1(-0.475,0) 2(0.475,0)
  silkscreen extent -0.05,-0.28 0.05,0.28, body extent -0.53,-0.28 0.53,0.28, height 0.55
IND_0402_MURATA_LQW15AN2N4C00X [mm]
  rect 0.65x0.9 smd mask+0.05: 1(-0.475,0) 2(0.475,0)
  silkscreen extent -0.05,-0.35 0.05,0.35, body extent -0.55,-0.35 0.55,0.35, height 0.6
IND_0402_MURATA_LQW15AN_H0P5 [mm] "MCD-01606"
  rect 0.65x0.9 smd mask+0.05: 1(-0.475,0) 2(0.475,0)
  silkscreen extent -0.05,-0.35 0.05,0.35, body extent -0.55,-0.35 0.55,0.35, height 0.6
IND_TDK_MLZ2012M150W [mm]
  rect 0.8x1.3 smd mask+0.05: 1(-0.9,0) 2(0.9,0)
  silkscreen extent -1.1,-0.77 1.1,0.77, body extent -1.1,-0.72 1.1,0.72, height 1.45
L0603 [mm]
  rect 0.8x0.95 smd mask+0.05: 1(-0.8,0) 2(0.8,0)
  silkscreen extent -1.33,-0.6 1.33,0.6, body extent -0.87,-0.47 0.87,0.47, height 0.95
LED_0603_OSRAM_LB-Q39G-L2OO-35-1_BLUE_1A2K_H0P4 [mm]
  rect 0.8x0.8 smd mask+0.05: 1(-0.75,0) 2(0.75,0)
  silkscreen extent -0.85,-0.53 1.28,0.53, body extent -0.85,-0.45 0.85,0.45, height 0.6
LED_0603_OSRAM_LG-Q396-PS-35_GREEN_1A2K_H0P4 [mm]
  rect 0.8x0.8 smd mask+0.05: 1(-0.75,0) 2(0.75,0)
  silkscreen extent -0.85,-0.53 1.28,0.53, body extent -0.85,-0.45 0.85,0.45, height 0.6
LED_0603_VISHAY_VLMS1300-GS08_RED_1A2K_H0P8 [mm]
  rect 0.8x0.8 smd mask+0.05: 1(-0.75,0) 2(0.75,0)
  silkscreen extent -0.85,-0.53 1.28,0.53, body extent -0.85,-0.45 0.85,0.45, height 0.8
LED_BI-GR_HSMF-A201-A00J1 [mm]
  rect 1.1x1.5 smd mask+0.05: 1(-0.75,-1.5) 2(-0.75,1.5) 3(0.75,1.5) 4(0.75,-1.5)
  silkscreen extent -1.65,-1.85 1.65,1.85, body extent -1.5,-1.85 1.5,1.85, height 2.1
MIRE_PLACE_SMD_0P8MM [mm]
  round 0.8 smd paste-10 mask+0.2: 1(0,0)
  Top Layer keep-out circle w0.01: c0,0 r0.804
MOS_SOT23-5L [mm]
  rect 0.6x1.3 smd mask+0.05: 1(-0.95,-1.1) 2(0,-1.1) 3(0.95,-1.1) 4(0.95,1.1) 5(-0.95,1.1)
  silkscreen extent -1.6,-0.95 1.6,0.97, body extent -1.52,-1.25 1.52,1.25, height 1.45
OSC_NDK_NZ2520SB_4P [mm]
  rect 1x1 smd mask+0.05: 1(-0.825,-0.625) 2(0.825,-0.625) 3(0.825,0.625) 4(-0.825,0.625)
  silkscreen extent -1.43,-1.22 1.2,1.05, body extent -1.3,-1.05 1.3,1.05, height 0.91
R0402 [mm]
  rect 0.51x0.7 smd mask+0.05: 1(-0.45,0) 2(0.45,0)
  silkscreen extent 0,-0.3 0,0.3, body extent -0.52,-0.3 0.52,0.3, height 0.4
R0603 [mm]
  rect 0.64x1 smd mask+0.05: 1(-0.7,0) 2(0.7,0)
  silkscreen extent -1.05,-0.58 1.05,0.58, body extent -0.9,-0.5 0.9,0.5, height 0.56
REG_SOT23-5L [mm]
  rect 0.6x1.3 smd mask+0.05: 1(-0.95,-1.1) 2(0,-1.1) 3(0.95,-1.1) 4(0.95,1.1) 5(-0.95,1.1)
  silkscreen extent -1.6,-0.95 1.6,0.97, body extent -1.52,-1.25 1.52,1.25, height 1.1
REG_SOT223-TAB [mm]
  rect 1.5x1.65 smd mask+0.05: 1(-2.3,-3.175) 2(0,-3.175) 3(2.3,-3.175)
  rect 3.5x1.65 smd mask+0.05: 4(0,3.175)
  silkscreen extent -3.35,-2.15 3.35,2.12, body extent -3.35,-3.48 3.35,3.48, height 1.8
Sheetbox_4L2S [mil] "Sheetbox 4 layers / 2 silkscreens"
  round 20 on Mech16: 1(813.78,210.69) 1(2736.9,210.69)
SHIELD_17P2x17P2X3__3D-ONLY [mm]
  silkscreen extent -8.6,-8.6 8.6,8.6, body extent -8.6,-8.6 8.6,8.6, height 3
SOLDER-BRIDGE_R0603-0R [mil]
  round 10 smd paste-393.7: 1(-19.68,0) 2(23.62,0)
  Top Layer region: -5.91,19.68 13.78,0 -5.91,-19.68 47.24,-19.68 47.24,19.68 -5.91,19.68
  Top Layer region: -47.24,-19.68 -47.24,19.68 -15.75,19.68 3.94,0 -15.75,-19.68 -47.24,-19.68
  silkscreen extent -50,-23 50,23, body extent -36,-20 36,20, height 22
STICKER_BOARD-CPN_13X3 [mm] "Sticker to mention board CPN code"
  silkscreen extent -6.5,-1.5 6.5,1.5, body extent -6.5,-1.5 6.5,1.5, height 0.01
STICKER_BOARD-CPN_25X5 [mm] "Sticker to mention board CPN code"
  silkscreen extent -12.5,-2.5 12.5,2.5, body extent -12.5,-2.5 12.5,2.5, height 0.01
STICKER_BOARD-QR-CODE_9X9 [mm] "Sticker to mention board QR code 8X8"
  silkscreen extent -4.5,-4.5 4.5,4.5, body extent -4.5,-4.5 4.5,4.5, height 0.01
SWI_C&K_Y78B23110FP__ITT_KMR231GLFS [mm] "MCD-00715"
  rect 0.9x1 smd mask+0.05: 1(2.05,0.8) 2(2.05,-0.8) 3(-2.05,0.8) 4(-2.05,-0.8)
  rect 1.7x0.8 smd mask+0.05: 5(0,1.2)
  silkscreen extent -2.05,-1.43 2.05,1.43, body extent -2.3,-1.5 2.3,1.5, height 2.1

## Part data
B1 B2 B3 B4: library part MCD-01485, "Microminiature Tact Switch for SMT - KMR 2 Series - 1.9 mm height", Manufacturer=C&K, Manufacturer_Part_Number=KMR231GLFS, ComponentLink1Description=Datasheet, ComponentLink1URL=http://tunmcdsvn.tun.st.com/Component_Datasheet_Library/Trunk/Misc/C&K_tactile_switch_KMR_series, ECCN_EU=n/a, ECCN_US=n/a, Internal_Part_Number=MCD-01485, Part_Type=Misc, Provided_By=SUBCO, Status=Checked
C2 C13 C24 C25 C78 C80 C82: library part MCD-01784, "Capacitor, MLCC, 33pF, 50V, NPO, +/-2%, 0402, T=0,5mm", Manufacturer=YAGEO, Manufacturer_Part_Number=CC0402GRNPO9BN330, Package=C0402, ComponentLink1Description=Datasheet, ComponentLink1URL=http://tunmcdsvn.tun.st.com/Component_Datasheet_Library/Trunk/Capacitors/Yageo_Capacitor_NP0_16V-to-50V, ECCN_EU=n/a, ECCN_US=n/a, Internal_Part_Number=MCD-01784, Part_Type=Capacitor, Provided_By=SUBCO, Status=Checked
C5 C6 C14 C93: library part MCD-01775, "Capacitor, MLCC, 3.3pF, 50V, NPO, +/-0.1pF, 0402, T=0,5mm", Manufacturer=YAGEO, Manufacturer_Part_Number=CC0402BRNPO9BN3R3, Package=C0402, ComponentLink1Description=Datasheet, ComponentLink1URL=http://tunmcdsvn.tun.st.com/Component_Datasheet_Library/Trunk/Capacitors/Yageo_Capacitor_NP0_16V-to-50V, Internal_Part_Number=MCD-01775, Part_Type=Capacitor
  C5 C6 C14: ECCN_EU=n/a, ECCN_US=n/a, Provided_By=SUBCO, Status=Checked
  C93: Order_Code_Digikey=311-1621-1-ND, Order_Code_Farnell=N/A, Order_Code_RS=N/A, Part_Preference=Recommended, Status=Released
C7 C22 C92 C94 C95 C96 C97 C98 C99 C100 C101: library part MCD-02065, "Capacitor, High Q type for high frequency and high power, SMD, 1.2pF, 50V, 0,05pf, 0402", Alternate_Manufacturer=N/A, Manufacturer=MURATA, Manufacturer_Part_Number=GJM1555C1H1R2WB01D, Package=C0402, Alternate_Manufacturer_Part_Number=N/A, BMS_Part_Number=N/A, ComponentLink1Description=Datasheet, ComponentLink1URL=http://tunmcdsvn.tun.st.com/Component_Datasheet_Library/Trunk/Capacitors/MURATA_Chip_Monolithic_Ceramic_Capacitors, Internal_Part_Number=MCD-02065, Order_Code_Digikey=490-11195-2-ND, Order_Code_Farnell=2781428, Order_Code_RS=846-7246, Part_Preference=Recommended, Part_Type=Capacitor, Status=Checked
C8: library part MCD-01772, "Capacitor, MLCC, 1.3pF, 50V, NPO, +/-0.1pF, 0402, T=0,5mm", Manufacturer=YAGEO, Manufacturer_Part_Number=CC0402BRNPO9BN1R3, Package=C0402, ComponentLink1Description=Datasheet, ComponentLink1URL=http://tunmcdsvn.tun.st.com/Component_Datasheet_Library/Trunk/Capacitors/Yageo_Capacitor_NP0_16V-to-50V, ECCN_EU=n/a, ECCN_US=n/a, Internal_Part_Number=MCD-01772, Part_Type=Capacitor, Provided_By=SUBCO, Status=Checked
C9 C23 C26 C28 C32 C34 C45: library part MCD-00010, "Capacitor, MLCC, 1uF, 16V, X5R, 10%, 0603, T=0,8mm", Manufacturer=YAGEO, Manufacturer_Part_Number=CC0603KRX5R7BB105, Package=C0603, ComponentLink1Description=Datasheet, ComponentLink1URL=http://tunmcdsvn.tun.st.com/Component_Datasheet_Library/Trunk/Capacitors/Yageo_Multilayer_capacitor_X5R_series_100pF_to_100uF, ECCN_EU=NEC, ECCN_US=EAR99, Internal_Part_Number=MCD-00010, Part_Type=Capacitor, Provided_By=SUBCO, Status=Released
C10 C18 C29 C33 C37 C41 C42 C47 C48 C49 C50 C51 C52 C53 C54 C55 C56 C57 C58 C60 C62 C64 C65 C66 C67 C68 C69 C70 C75 C77 C81 C83 C84 C86 C89: library part MCD-00102, "Capacitor, MLCC, 100nF, 16V, X7R, 10%, 0402, T=0,5mm", Alternate_Manufacturer=MURATA, Alternate_Manufacturer_Part_Number=GCM155R71C104KA55D, Manufacturer=YAGEO, Manufacturer_Part_Number=CC0402KRX7R7BB104, Package=C0402, ComponentLink1Description=Datasheet, ComponentLink1URL=http://tunmcdsvn.tun.st.com/Component_Datasheet_Library/Trunk/Capacitors/Yageo_Multilayer_Capacitor_X7R_series_100pF_to_22uF, ECCN_EU=NEC, ECCN_US=EAR99, Internal_Part_Number=MCD-00102, Part_Type=Capacitor, Provided_By=SUBCO, Status=Released
C11 C21: library part MCD-01374, "Capacitor, MLCC, 5.6pF, 50V, NPO, +/- 0.1pF, 0402, T=0,5mm", Manufacturer=YAGEO, Manufacturer_Part_Number=CC0402BRNPO9BN5R6, Package=C0402, ComponentLink1Description=Datasheet, ComponentLink1URL=http://tunmcdsvn.tun.st.com/Component_Datasheet_Library/Trunk/Capacitors/Yageo_Capacitor_NP0_16V-to-50V, Internal_Part_Number=MCD-01374, Part_Type=Capacitor, Status=Released
  C11: Order_Code_Digikey=311-1625-1-ND, Order_Code_Farnell=N/A, Order_Code_RS=N/A, Part_Preference=Recommended
  C21: ECCN_EU=N/A, ECCN_US=N/A, Provided_By=SUBCO
C12: library part MCD-01604, "Capacitor, MLCC, 68pF, 50V, NPO, +/-5%, 0402, T=0,5mm", Manufacturer=YAGEO, Manufacturer_Part_Number=CC0402JRNPO9BN680, Package=C0402, ComponentLink1Description=Datasheet, ComponentLink1URL=http://tunmcdsvn.tun.st.com/Component_Datasheet_Library/Trunk/Capacitors/Yageo_Capacitor_NP0_16V-to-50V, Internal_Part_Number=MCD-01604, Order_Code_Digikey=311-1340-1-ND, Order_Code_Farnell=3019214, Order_Code_RS=N/A, Part_Preference=Recommended, Part_Type=Capacitor, Status=Released
C15: library part MCD-01773, "Capacitor, MLCC, 2.2pF, 50V, NPO, +/-0.1pF, 0402, T=0,5mm", Manufacturer=YAGEO, Manufacturer_Part_Number=CC0402BRNPO9BN2R2, Package=C0402, ComponentLink1Description=Datasheet, ComponentLink1URL=http://tunmcdsvn.tun.st.com/Component_Datasheet_Library/Trunk/Capacitors/Yageo_Capacitor_NP0_16V-to-50V, Internal_Part_Number=MCD-01773, Order_Code_Digikey=311-1618-1-ND, Order_Code_Farnell=N/A, Order_Code_RS=N/A, Part_Preference=Recommended, Part_Type=Capacitor, Status=Released
C16 C19: library part MCD-01774, "Capacitor, MLCC, 2.7pF, 50V, NPO, +/-0.1pF, 0402, T=0,5mm", Manufacturer=YAGEO, Manufacturer_Part_Number=CC0402BRNPO9BN2R7, Package=C0402, ComponentLink1Description=Datasheet, ComponentLink1URL=http://tunmcdsvn.tun.st.com/Component_Datasheet_Library/Trunk/Capacitors/Yageo_Capacitor_NP0_16V-to-50V, ECCN_EU=n/a, ECCN_US=n/a, Internal_Part_Number=MCD-01774, Part_Type=Capacitor, Provided_By=SUBCO, Status=Checked
C17: library part MCD-01600, "Capacitor, MLCC, 1pF, 50V, NPO, +/-0.1pF, 0402, T=0,5mm", Manufacturer=YAGEO, Manufacturer_Part_Number=CC0402BRNPO9BN1R0, Package=C0402, ComponentLink1Description=Datasheet, ComponentLink1URL=http://tunmcdsvn.tun.st.com/Component_Datasheet_Library/Trunk/Capacitors/Yageo_Capacitor_NP0_16V-to-50V, Internal_Part_Number=MCD-01600, Order_Code_Digikey=311-3613-1-ND, Order_Code_Farnell=N/A, Order_Code_RS=N/A, Part_Preference=Recommended, Part_Type=Capacitor, Status=Released